# Altium PCB Metal Detector.PcbDoc
Units mm, origin at the board's own origin, x right, y up, seen from the top; angles counter-clockwise.
Board outline 96.52 x 64.13 mm, 2 copper layers (Top Layer, Bottom Layer); 61 components, 30 nets, 155 pads, 0 vias.
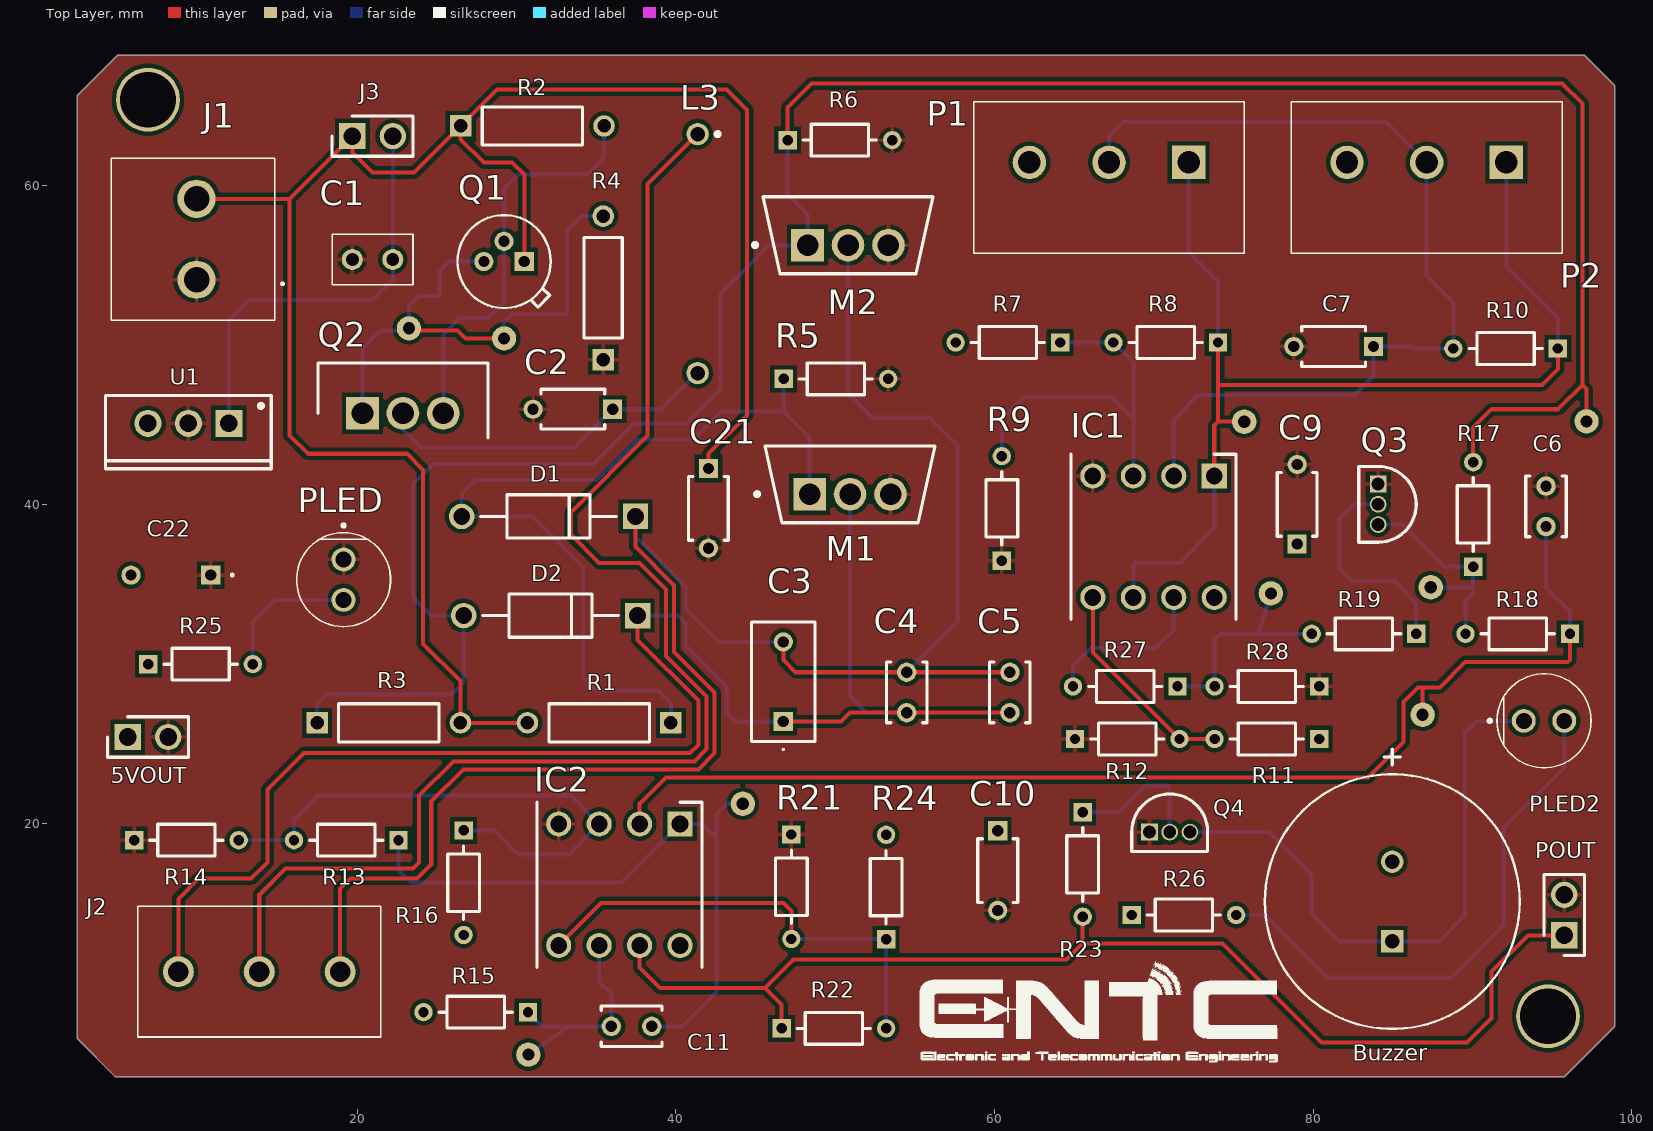
[diagram p0: Top Layer view]
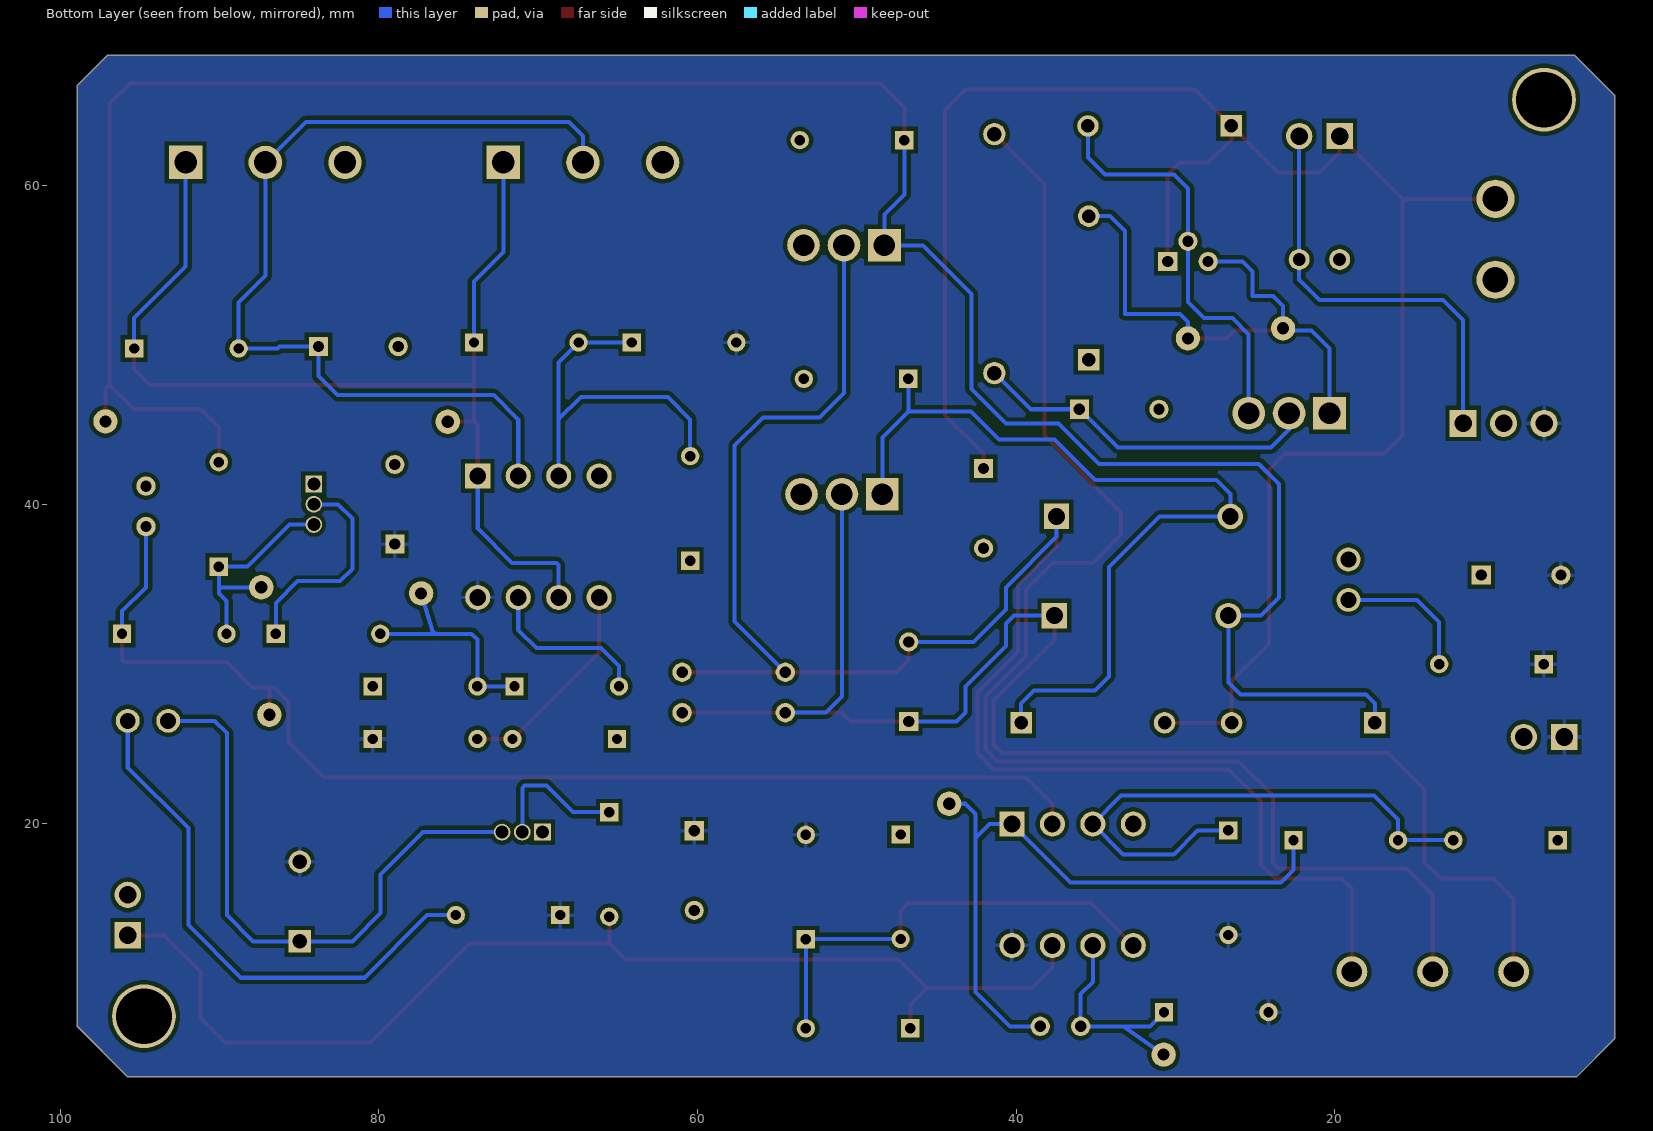
[diagram p1: Bottom Layer view, seen from below]
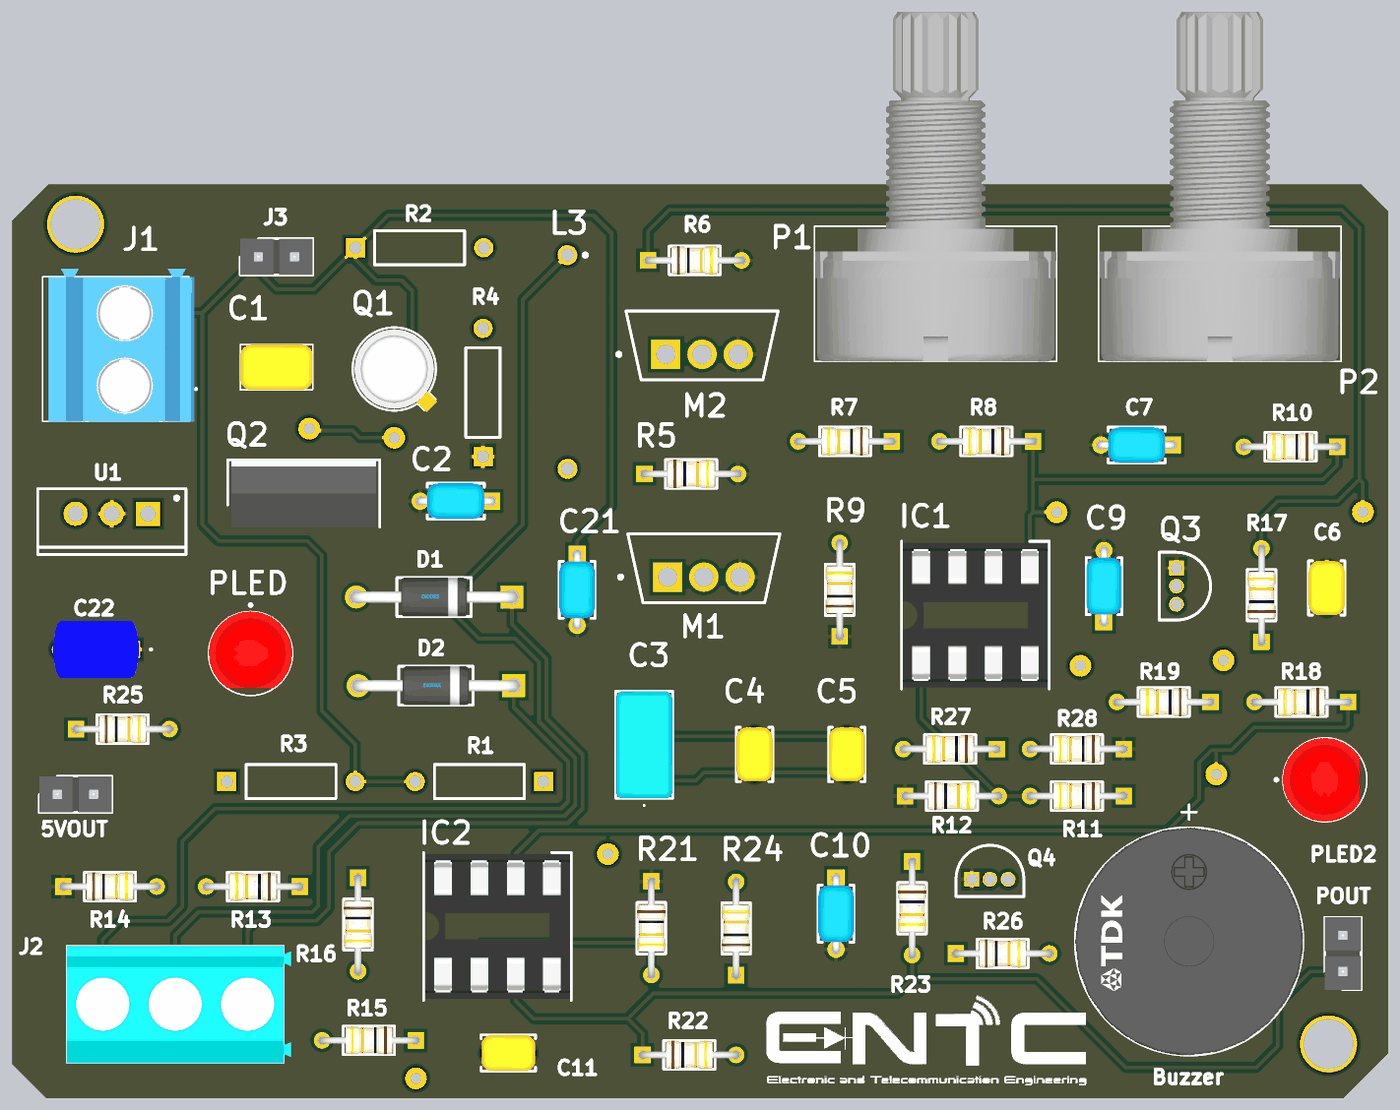
[diagram p2: 3D render of the assembled board from above, using the file's embedded part models]

## Layer stack, top to bottom
Top Solder: solder mask 0.0102, Solder Resist, Dk 3.5
Top Layer: signal copper 0.0356
Dielectric 1: dielectric 0.32, FR-4, Dk 4.8
Bottom Layer: signal copper 0.0356
Bottom Solder: solder mask 0.0102, Solder Resist, Dk 3.5

## Board outline
98.933,66.294 98.933,7.239 95.758,4.064 4.826,4.064 2.413,6.477 2.413,65.659 4.953,68.199 97.028,68.199

## Design rules (kind name [scope] priority, off if disabled: settings)
Clearance [All] p1: gap=0.254 ignorepadtopadclearanceinfootprint=FALSE
PolygonConnect [All] p1: connectstyle=Relief reliefconductorwidth=0.254 reliefentries=4 polygonreliefangle="90 Angle" airgapwidth=0.254
RoutingVias [All] p1: holewidth=0.711 width=1.27 viastyle="Through Hole" minholewidth=0.711 minwidth=1.27 maxholewidth=0.711 maxwidth=1.27
SolderMaskExpansion [All] p1: expansion=0.102 istentingtop=FALSE
SupplyNets "Schematic Supply Nets" [InNet('GND')] p1: voltage=0.000
Width [All] p1: maxlimit=0.254 minlimit=0.254 preferedwidth=0.254
30 further rules are at their usual default settings.

## Components (designator, comment, footprint, x,y, rotation, side; value= is the part's Value field where it differs from the comment)
5VOUT "5VPIN" HDRV2W64P0X254_1X2_508X254X864P 5.588,25.4 r0 top (schematic designator J5v)
Buzzer "SD1614T5-A1" FP-SD1614T5-A1-MFG 84.963,15.073 r90 top
C1 "0.33uF" C320C334M5U5TA7301 19.685,55.372 r0 top
C2 "100n" FP-RCE1K1-2_5-MFG 33.528,45.974 r180 top
C3 "150nF" RDER72J154K5E1H03A 46.736,26.369 r90 top
C4 "10nF" C315C103K5R5TA 54.483,26.924 r90 top
C5 "10nF" C315C103K5R5TA 60.96,26.924 r90 top
C6 "10nF" C315C103K5R5TA 94.615,41.148 r270 top
C7 "100n" FP-RCE1K1-2_5-MFG 81.28,49.911 r180 top
C9 "100n" FP-RCE1K1-2_5-MFG 78.994,40.005 r90 top
C10 "100n" FP-RCE1K1-2_5-MFG 60.198,17.018 r270 top
C11 "25nF" C315C103K5R5TA 35.941,7.239 r0 top
C21 "100u" FP-RCE1K1-2_5-MFG 42.037,39.751 r270 top
C22 "0.1uF" FK20 10.795,35.56 r180 top
D1 "1N5819-T" FP-DO-41_Plastic-MFG 32.004,39.243 r180 top value="110 pF"
D2 "1N5819-T" FP-DO-41_Plastic-MFG 32.131,33.02 r180 top value="110 pF"
IC1 "MCP6002" DIPS762W61P254L1016H525Q8N 73.787,41.783 r270 top
IC2 "MCP6002" DIPS762W61P254L1016H525Q8N 40.259,19.939 r270 top
J1 "TB007-508-02BE" TB00750802BE 9.906,54.102 r90 top
J2 "TB006-508-03BE" TB00650803BE 8.763,10.668 r0 top
J3 "switch" HDRV2W64P0X254_1X2_508X254X864P 19.685,63.119 r0 top
L3 "100u" BOUR-77F-2_V1 41.361,55.74 r270 top
M1 "AUIRFZ44N" FP-TO-220AB-MFG 50.927,41.26 r90 top
M2 "AUIRFZ44N" FP-TO-220AB-MFG 50.8,56.896 r90 top
P1 "10K" P160KN0QC15B10K 72.183,61.468 r90 top
P2 "5K" P160KN0QC15B10K 92.122,61.468 r90 top
PLED "151051RS11000" 151051RS11000 19.134,36.546 r270 top (schematic designator "Power LED")
PLED2 "151051RS11000" 151051RS11000 93.218,26.416 r0 top
POUT "pulse" HDRV2W64P0X254_1X2_508X254X864P 95.758,12.954 r90 top (schematic designator JOUTPULSE)
Q1 "2N2907" FP-TO-18-MFG 29.21,55.245 r270 top
Q2 "2SB596" TO254P470X1016X2019-3P 20.325,45.72 r0 top
Q3 "2N3904BU" FAIR-TO-92 84.074,41.275 r270 top
Q4 "2N3904BU" FAIR-TO-92 69.723,19.431 r0 top
R1 "150" RESA60-630X240 35.179,26.289 r180 top
R2 "1" RESA60-630X240 30.988,63.754 r0 top
R3 "150" RESA60-630X240 21.971,26.289 r0 top
R4 "2.2k" RESA60-630X240 35.433,53.594 r90 top
R5 "10k" FP-CF18-MFG 50.038,47.879 r0 top value=10kΩ
R6 "10k" FP-CF18-MFG 50.292,62.865 r0 top value=10kΩ
R7 "10k" FP-CF18-MFG 60.833,50.165 r180 top value=10kΩ
R8 "10k" FP-CF18-MFG 70.739,50.165 r180 top value=10kΩ
R9 "10k" FP-CF18-MFG 60.452,39.751 r90 top value=10kΩ
R10 "100" FP-CF18-MFG 92.075,49.784 r180 top value=10kΩ
R11 "10k" FP-CF18-MFG 77.089,25.273 r180 top value=10kΩ
R12 "10k" FP-CF18-MFG 68.326,25.273 r0 top value=10kΩ
R13 "10k" FP-CF18-MFG 19.304,18.923 r180 top value=10kΩ
R14 "10k" FP-CF18-MFG 9.271,18.923 r0 top value=10kΩ
R15 "10k" FP-CF18-MFG 27.432,8.128 r180 top value=10kΩ
R16 "10k" FP-CF18-MFG 26.67,16.256 r270 top value=10kΩ
R17 "10k" FP-CF18-MFG 90.043,39.37 r90 top value=10kΩ
R18 "22k" FP-CF18-MFG 92.837,31.877 r180 top value=22kΩ
R19 "10k" FP-CF18-MFG 83.185,31.877 r180 top value=10kΩ
R21 "10k" FP-CF18-MFG 47.244,16.002 r270 top value=10kΩ
R22 "10k" FP-CF18-MFG 49.911,7.112 r0 top value=10kΩ
R23 "1k" FP-CF18-MFG 65.532,17.399 r270 top value=1kΩ
R24 "10k" FP-CF18-MFG 53.191,15.98 r90 top value=10kΩ
R25 "220" FP-CF18-MFG 10.16,29.972 r0 top value=10kΩ
R26 "470" FP-CF18-MFG 71.882,14.224 r0 top value=1kΩ
R27 "10k" FP-CF18-MFG 68.199,28.575 r180 top value=10kΩ
R28 "10k" FP-CF18-MFG 77.089,28.575 r180 top value=10kΩ
U1 "L7805CV" TO220 9.398,45.085 r180 top

## Footprints (in the part's own frame and the unit in brackets; to place one, negate y for a bottom-side part, rotate by r counter-clockwise, add the part's x,y. Pads: shape width x height; smd on the part's side, far side on the other; paste and mask are expansions set on the pad)
151051RS11000 [mm]
  round 1.5 hole 1: 1(0,0) 2(2.54,0)
  silkscreen extent -2.23,-2.95 4.22,2.95, body extent -1.7,-2.95 3.7,2.95, height 12.03
BOUR-77F-2_V1 [mm] "TH, 2-Leads, Dia 3.99mm, Length 10.41mm, Pitch 15 mm"
  round 1.4 hole 0.9: 1(-7.5,0) 2(7.5,0)
  silkscreen extent -7.62,1.13 -7.38,1.38, body extent -7.82,-2 7.82,1.99, height 3.99
C315C103K5R5TA [mm]
  round 1.217 hole 0.71: 1(0,0) 2(2.54,0)
  silkscreen extent -0.64,-1.27 3.17,1.27, body extent -0.63,-1.28 3.18,1.27, height 4.66
C320C334M5U5TA7301 [mm]
  round 1.316 hole 0.81: 1(0,0) 2(2.54,0)
  silkscreen extent -1.27,-1.59 3.81,1.59, body extent -1.27,-1.6 3.81,1.59, height 5.51
DIPS762W61P254L1016H525Q8N [mm]
  rect 1.575x1.575 hole 1.05: 1(0,0)
  round 1.575 hole 1.05: 2(0,-2.54) 3(0,-5.08) 4(0,-7.62) 5(7.62,-7.62) 6(7.62,-5.08) 7(7.62,-2.54) 8(7.62,0)
  silkscreen extent -1.37,-8.99 8.99,1.37, body extent -1.27,-8.89 8.89,1.27, height 5.1
FAIR-TO-92 [mm] "TO, 3-Leads, Body Dia 4.79mm, Pitch 1.27mm"
  rect 1.05x1.05 hole 0.8 mask+0.05: 1(0,0)
  round 1.05 hole 0.8 mask+0.05: 2(1.27,0) 3(2.54,0)
  silkscreen extent -1.11,-1.21 3.65,2.4, body extent -1.11,-1.21 3.65,2.4, height 5.33
FK20 [mm]
  rect 1.2x1.2 hole 0.7: 1(0,0)
  round 1.2 hole 0.7: 2(5,0)
  silkscreen extent -1.4,-0.05 -1.3,0.05, body extent -0.5,-2 5.5,2, height 7.32
FP-CF18-MFG [mm]
  rect 1.15x1.15 hole 0.65 paste-2539.97 mask+0: 1(-3.28,0)
  round 1.15 hole 0.65 paste-2539.97 mask+0: 2(3.28,0)
  silkscreen extent -2.3,-1 2.3,1, body extent -3.96,-1.1 3.96,1.1, height 0.25
FP-DO-41_Plastic-MFG [mm]
  rect 1.6x1.6 hole 1.05 paste-2539.97 mask+0: 1(-5.456,0)
  round 1.6 hole 1.05 paste-2539.97 mask+0: 2(5.456,0)
  silkscreen extent -4.26,-1.36 4.26,1.36, body extent -6.36,-1.46 6.36,1.46, height 0.25
FP-RCE1K1-2_5-MFG [mm]
  rect 1.2x1.2 hole 0.7 paste-2539.97 mask+0: 1(-2.5,0)
  round 1.2 hole 0.7 paste-2539.97 mask+0: 2(2.5,0)
  silkscreen extent -2,-1.25 2,1.25, body extent -3.2,-1.35 3.2,1.35, height 0.25
FP-SD1614T5-A1-MFG [mm]
  rect 1.4x1.4 hole 0.9 paste-2539.97 mask+0: 1(-2.5,0)
  round 1.4 hole 0.9 paste-2539.97 mask+0: 2(2.5,0)
  silkscreen extent -8,-8 9.57,8, body extent -8.1,-8.1 8.1,8.1, height 0.25
FP-TO-18-MFG [mm]
  rect 1.2x1.2 hole 0.7 paste-2539.97 mask+0: 1(0,1.27)
  round 1.2 hole 0.7 paste-2539.97 mask+0: 2(-1.27,0) 3(0,-1.27)
  silkscreen extent -2.92,-2.92 2.92,2.92, body extent -3.02,-3.02 3.02,3.02, height 0.25
FP-TO-220AB-MFG [mm]
  rect 2.05x2.05 hole 1.35 paste-2539.97 mask+0: 1(-0.62,2.54)
  round 2.05 hole 1.35 paste-2539.97 mask+0: 2(-0.62,0) 3(-0.62,-2.54)
  silkscreen extent -2.41,-5.34 2.41,5.96
HDRV2W64P0X254_1X2_508X254X864P [mm]
  rect 1.65x1.65 hole 1.1: 1(0,0)
  round 1.65 hole 1.1: 2(2.54,0)
  silkscreen extent -1.27,-1.27 3.81,1.27, body extent -1.27,-1.27 3.81,1.27, height 8.64
P160KN0QC15B10K [mm]
  rect 2.1x2.1 hole 1.4: 1(0,0)
  round 2.1 hole 1.4: 2(0,5) 3(0,10)
  silkscreen extent -5.7,-3.5 3.8,13.5, body extent -5.71,-3.51 18.8,13.51, height 24.95
RDER72J154K5E1H03A [mm]
  rect 1.2x1.2 hole 0.7: 1(0,0)
  round 1.2 hole 0.7: 2(5,0)
  silkscreen extent -1.8,-2 6.25,2, body extent -1.25,-2 6.25,2, height 9.42
RESA60-630X240 [mm] "Axial Resistor, 2-Leads, Dia 2.4mm, Body Length 6.3mm"
  rect 1.35x1.35 hole 0.85: 1(-4.5,0)
  round 1.35 hole 0.85: 2(4.5,0)
  silkscreen extent -3.15,-1.2 3.15,1.2, body extent -3.15,-1.2 3.15,1.2, height 2.4
TB00650803BE [mm]
  round 1.95 hole 1.3: 1(0,0) 2(5.08,0) 3(10.16,0)
  silkscreen extent -2.54,-4.1 12.7,4.1, body extent -2.54,-4.1 13.2,4.1, height 10
TB00750802BE [mm]
  round 2.4 hole 1.6: 1(0,0) 2(5.08,0)
  silkscreen extent -2.54,-5.45 7.62,5.35, body extent -2.57,-5.3 8.19,4.95, height 16.85
TO220 [mm] "TO, Thru-Hole, Vertical, Heatsink Mounted; 3 In-Line Leads; Pitch 2.54 mm"
  rect 1.7x1.7 hole 1.1: 1(-2.54,0)
  round 1.7 hole 1.1: 2(0,0) 3(2.54,0)
  silkscreen extent -5.2,-1.75 5.2,2.85, body extent -5.25,-1.8 5.25,2.9, height 19.7
TO254P470X1016X2019-3P [mm]
  rect 2.055x2.055 hole 1.37: 1(0,0)
  round 2.055 hole 1.37: 2(2.535,0) 3(5.07,0)
  silkscreen extent -2.8,-1.55 7.87,3.15, body extent -2.55,-1.55 7.61,3.15, height 18.54

## Part data
5VOUT J3 POUT: library part M20-9990245, "Connector", Manufacturer_Name=Harwin, Mouser Part Number=855-M20-9990245, Datasheet Link=https://cdn.harwin.com/pdfs/M20-999.pdf, Height=8.64mm, Manufacturer_Part_Number=M20-9990245, Mouser Price/Stock=https://www.mouser.co.uk/ProductDetail/Harwin/M20-9990245?qs=Jph8NoUxIfUDXEB%252Bi9kJRA%3D%3D
Buzzer: library part CMP-08413-000005-1, "BUZZER MAGNETIC 5V 80DB 2048HZ 1", Frequency=2.048kHz, Max Operating Temperature=85°C, Min Operating Temperature=-40°C, Operating Supply Current=80mA, Voltage Rating=5V, Mount=Panel, Sensing Method=Magnetic, Termination="PC Pins"
C1: library part C320C334M5U5TA7301, "Capacitor", Manufacturer_Name=KEMET, Mouser Part Number=80-C320C334M5U5TATU, Datasheet Link=https://content.kemet.com/datasheets/KEM_C1051_GOLDMAX_Z5U.pdf, Height=5.84mm, Manufacturer_Part_Number=C320C334M5U5TA7301, Mouser Price/Stock=https://www.mouser.co.uk/ProductDetail/KEMET/C320C334M5U5TA7301?qs=uD%2FdkN7XIa09BDaVzp0DSg%3D%3D
C2 C7 C9 C10: library part CMP-06035-028865-1, "Cap Ceramic Monolithic 100nF 100V 10% Thru-Hole Bulk", Capacitance=100nF, Case/Package=Radial, Dielectric=X7R, Max Operating Temperature=125°C, Min Operating Temperature=-55°C, Package Quantity=2000, Ratings=AEC-Q200, Resistor Type=Ceramic, Tolerance=10%, Voltage Rating=100V, Height=3.5mm, Height - Seated (Max)=0.138inch, Lead Diameter=0.5mm, Lead Free="Lead Free", Lead Pitch=0.197inch, Lead/Base Style="Formed Leads", Length=0.157inch, Mount="Through Hole", Packaging="Tape and Reel", Termination=Radial, Voltage Rating (DC)=100V, Width=0.098inch
C3: library part RDER72J154K5E1H03A, "Capacitor", Manufacturer_Name="Murata Electronics", Mouser Part Number=81-RDER72J154K5E1H3A, Arrow Part Number=RDER72J154K5E1H03A, Arrow Price/Stock=https://www.arrow.com/en/products/rder72j154k5e1h03a/murata-manufacturing, Datasheet Link=https://search.murata.co.jp/Ceramy/image/img/A01X/G101/ENG/RDE_X7R_250V-1kV_E.pdf, Height=4mm, Manufacturer_Part_Number=RDER72J154K5E1H03A, Mouser Price/Stock=https://www.mouser.co.uk/ProductDetail/Murata-Electronics/RDER72J154K5E1H03A?qs=hNud%2FORuBR3iiULarVQtcw%3D%3D
C4 C5 C6 C11: library part C315C103K5R5TA, "Capacitor", Manufacturer_Name=KEMET, Mouser Part Number=80-C315C103K5R, Arrow Part Number=C315C103K5R5TA, Arrow Price/Stock=https://www.arrow.com/en/products/c315c103k5r5ta/kemet-corporation?utm_currency=USD&region=nac, Datasheet Link=https://content.kemet.com/datasheets/KEM_C1050_GOLDMAX_X7R.pdf, Height=4.66mm, Manufacturer_Part_Number=C315C103K5R5TA, Mouser Price/Stock=https://www.mouser.co.uk/ProductDetail/KEMET/C315C103K5R5TA?qs=73D%2FyAt1UYt79hsndjhLPg%3D%3D
C21: library part CMP-06035-028865-1, "Cap Ceramic Monolithic 100nF 100V 10% Thru-Hole Bulk", Capacitance=100uF, Case/Package=Radial, Dielectric=X7R, Max Operating Temperature=125°C, Min Operating Temperature=-55°C, Package Quantity=2000, Ratings=AEC-Q200, Resistor Type=Ceramic, Tolerance=10%, Voltage Rating=100V, Height=3.5mm, Height - Seated (Max)=0.138inch, Lead Diameter=0.5mm, Lead Free="Lead Free", Lead Pitch=0.197inch, Lead/Base Style="Formed Leads", Length=0.157inch, Mount="Through Hole", Packaging="Tape and Reel", Termination=Radial, Voltage Rating (DC)=100V, Width=0.098inch
C22: library part FK20C0G1H104JN000, "Capacitor", Manufacturer_Name=TDK, Datasheet Link=https://product.tdk.com/system/files/dam/doc/product/capacitor/ceramic/lead-mlcc/catalog/leadmlcc_conventional_fk_en.pdf, Height=7mm, Manufacturer_Part_Number=FK20C0G1H104JN000
D1 D2: library part CMP-12790-000042-1, "DIODE SCHOTTKY 40V 1A DO41", Capacitance="110 pF", Forward Current=1A, Manufacturer="Diodes Inc.", Max Junction Temp=+125°C, Max Repetitive Reverse Voltage=40V, Max Surge Forward Current=25A, Package="DO-41 (Plastic)", Peak Reverse Current=1mA, Temperature="-65°C to +125°C", Temperature Range Low=-65°C, Automotive=No, Category=Diode, ComponentLink2Description=Datasheet, ComponentLink2URL=https://www.diodes.com/assets/Datasheets/ds23001.pdf, Device Class L1="Discrete Semiconductors", Device Class L2=Diodes, Device Class L3="Schottky Diodes", Digikey Description="DIODE SCHOTTKY 40V 1A DO41", Footprint Url=https://www.diodes.com/assets/Package-Files/DO-41-Plastic.pdf, Height=2.72mm, Ipc Land Pattern Name=DIOPA1091W105L521D272, Lead Free=Yes, Manufacturer Part Number=1N5819-T, Mouser Description="Schottky Diodes & Rectifiers Vr/40V Io/1A T/R", Octopart=https://octopart.com/1n5819-t-diodes+inc.-55389586, Reverse Voltage=40V, RoHS=TRUE, Temperature Range High=+125°C
IC1 IC2: library part A_08-LC-TT, "Connector", Arrow Part Number="A 08-LC-TT", Manufacturer_Name="ASSMANN WSW components GmbH", Arrow Price/Stock=https://www.arrow.com/en/products/a08-lc-tt/assmann-wsw-components-inc?region=nac, Datasheet Link=http://www.assmann-wsw.com/fileadmin/datasheets/ASS_0810_CO.pdf, Height=5.25mm, Manufacturer_Part_Number="A 08-LC-TT"
J1: "Connector", Manufacturer_Name="Same Sky", Mouser Part Number=490-TB007-508-02BE, Arrow Part Number=TB007-508-02BE, Arrow Price/Stock=https://www.arrow.com/en/products/tb007-508-02be/cui-devices?utm_currency=USD&region=nac, Datasheet Link=https://www.digikey.ph/en/products/detail/same-sky-formerly-cui-devices/TB007-508-02BE/10064127?msockid=3bdc366bbe0663d83c1223c0bf3662a6, Height=14mm, Manufacturer_Part_Number=TB007-508-02BE, Mouser Price/Stock=https://www.mouser.co.uk/ProductDetail/Same-Sky/TB007-508-02BE?qs=vLWxofP3U2y6PFKAfCqKUQ%3D%3D
J2: "Connector", Manufacturer_Name="Same Sky", Mouser Part Number=490-TB006-508-03BE, Arrow Part Number=TB006-508-03BE, Arrow Price/Stock=https://www.arrow.com/en/products/tb006-508-03be/cui-devices?utm_currency=USD&region=nac, Datasheet Link=https://www.sameskydevices.com/product/resource/supplyframepdf/tb006-508.pdf, Height=10.4mm, Manufacturer_Part_Number=TB006-508-03BE, Mouser Price/Stock=https://www.mouser.co.uk/ProductDetail/Same-Sky/TB006-508-03BE?qs=vLWxofP3U2zmvvLYJBQLMA%3D%3D
L3: library part CMP-0732-00001-1, "77F Series Conformal Coated RF Choke, 470 uH +/- 5%, 126 mA, -55 to 105 degC, 3.99 mm Dia x 10.4 mm Length, RoHS, Tape and Reel", Inductance 100 kHz (Tol. %)="100 uH +/- 5", Manufacturer=Bourns, Operating Temperature="-55 to 105 degC", PartNumber=77F471J-TR-RC, Test Frequency (MHz)=0.796, ComponentLink1Description="Manufacturer URL", ComponentLink1URL=http://www.bourns.com/, ComponentLink2Description=Datasheet, ComponentLink2URL=http://www.bourns.com/data/global/pdfs/77F_series.pdf, ComponentLink3Description="Package Specification", ComponentLink3URL=http://www.bourns.com/data/global/pdfs/77F_series.pdf, DatasheetVersion="Rev. 10/12", Idc (mA)=126, Mounting Technology="Through Hole", PackageDescription="2-Pin Through Hole RF Choke , Dia 3.99 mm, Length 10.4 mm", PackageReference=77F-2, PackageVersion="Rev. 10/12", Packing="Tape and Reel", Q Min.=50, RDC Max.(Ohm)=8.5, RoHS=TRUE, SRF Min.(MHz)=1.8
M1 M2: library part CMP-00196-65872631-1, "AUIRFZ44N Automotive Q101 55V Single N-Channel HEXFET Power MOSFET in a TO-220AB Package, TO220-3, RoHS", Case/Package=TO-220AB, Continuous Drain Current (ID)=49A, Drain to Source Breakdown Voltage=55V, Drain to Source Resistance=17.5mΩ, Gate to Source Voltage (Vgs)=20V, Input Capacitance=1.47nF, Max Junction Temperature (Tj)=175°C, Max Power Dissipation=94W, Min Operating Temperature=-55°C, Package Quantity=1000, Threshold Voltage=2V, Contact Plating=Tin, Drain to Source Voltage (Vdss)=55V, Element Configuration=Single, Fall Time=60ns, Height=16.51mm, Length=10.66mm, Lifecycle Status=Obsolete, Max Operating Temperature=175°C, Mount="Surface Mount, Through Hole", NexarPartId=65872631, Number of Channels=1, Number of Elements=1, Number of Pins=3, On-State Resistance=17.5mΩ, Power Dissipation=94W, Radiation Hardening=No, Rds On Max=17.5mΩ, REACH SVHC="No SVHC", Rise Time=69ns, RoHS=Compliant, Schedule B="8541290080, 8541290080", Turn-Off Delay Time=44ns, Turn-On Delay Time=7.3ns, Width=4.82mm
P1 P2: library part P160KN-0QC15B10K, "Variable Resistor", Manufacturer_Name="TT Electronics", Mouser Part Number=858-P160KN-0QC15B10K, Arrow Part Number=P160KN-0QC15B10K, Arrow Price/Stock=https://www.arrow.com/en/products/p160kn-0qc15b10k/bi-technologies, Datasheet Link=https://www.ttelectronics.com/TTElectronics/media/ProductFiles/Potentiometers/Datasheets/P160.pdf, Height=16.5mm, Manufacturer_Part_Number=P160KN-0QC15B10K, Mouser Price/Stock=https://www.mouser.co.uk/ProductDetail/BI-Technologies-TT-Electronics/P160KN-0QC15B10K?qs=%252BUYXD5bnyXowj%252Bd8P32cNw%3D%3D
PLED PLED2: "LED", Manufacturer_Name="Wurth Elektronik", Mouser Part Number=710-151051RS11000, Datasheet Link=https://katalog.we-online.com/led/datasheet/151051RS11000.pdf, Height=13.6mm, Manufacturer_Part_Number=151051RS11000, Mouser Price/Stock=https://www.mouser.co.uk/ProductDetail/Wurth-Elektronik/151051RS11000?qs=LlUlMxKIyB0NuMCRBgVmEg%3D%3D
Q1: library part CMP-00252-117134470-1, "2N2907 Small-Signal Bjt To-18 Rohs Compliant: Yes", Case/Package=TO-18, Collector Base Voltage (VCBO)=60V, Collector Emitter Saturation Voltage=1.6V, Emitter Base Voltage (VEBO)=5V, Max Collector Current=600mA, Max Junction Temperature (Tj)=200°C, Min Operating Temperature=-65°C, Power Dissipation=500mW, Collector Emitter Breakdown Voltage=60V, Collector Emitter Voltage (VCEO)=60V, Height=5.33mm, hFE Min=100, Lifecycle Status=Production, Max Operating Temperature=200°C, NexarPartId=117134470, Number of Elements=1
Q2: library part TIP42C, "Transistor BJT PNP", Manufacturer_Name=onsemi, Mouser Part Number=512-TIP42C, Arrow Part Number=TIP42C, Arrow Price/Stock=https://www.arrow.com/en/products/tip42c/on-semiconductor, Datasheet Link=http://www.mouser.com/ds/2/149/TIP42C-890174.pdf, Height=4.7mm, Manufacturer_Part_Number=TIP42C, Mouser Price/Stock=https://www.mouser.co.uk/ProductDetail/onsemi-Fairchild/TIP42C?qs=cnIeywgme7b7B3r0xPyyBQ%3D%3D
Q3 Q4: library part CMP-2000-04944-1, "NPN General-Purpose Amplifier, 40 V VCEO, 0.2 A, -55 to 150 degC, 2-Pin TO-92, RoHS, Bulk", Manufacturer=FairchildSemiconductor, Maximum Collector Base Voltage=60V, Maximum Collector Emitter Saturation Voltage=0.2@1mA@10mA, Maximum Collector Emitter Voltage=40V, Maximum DC Collector Current=0.2A, Maximum Operating Frequency=300(Min)MHz, Maximum Power Dissipation=625mW, Minimum DC Current Gain=40@0.1mA@1V, Operating Temperature=-55to150degC, Package=3TO-92, Package Description="3-Pin Transistor Outline Package, Body Dia 4.79 mm, Pitch 1.27 mm", Package Reference=TO-92, Category=GPBJT, Datasheet URL=https://datasheet.ciiva.com/4722/2n3904-82270-4722369.pdf, Datasheet Version="Rev. 1.1.0, 10/2014", Manufacturer URL=https://www.fairchildsemi.com/, Mounting=ThroughHole, Packaging=Bulk, Pin Count=3, Rad Hard=No, Type=NPN
R1 R3: library part CMP-1659-00075-1, "Axial Resistor, 1 KOhm, +/- 1%, 250 mW, -55 to 155 degC, 2-Pin THD, RoHS, Bulk", Case\Package=Axial, Max Operating Temperature="155 degC", Min Operating Temperature="-55 degC", Package Quantity=200, Power Rating="250 mW", Resistance="150 ohm", Tolerance=1%, Voltage Rating="250 V", ComponentLink1Description="Manufacturer URL", ComponentLink1URL=http://www.yageo.com/, ComponentLink2Description=Datasheet, ComponentLink2URL=http://www.yageo.com/documents/recent/Yageo%20LR_MFR_2013.pdf, DatasheetVersion=Apr-13, Length="0.248 inch", PackageDescription="2-Pin Axial Lead, Dia 2.4 mm, Body Length 6.3 mm", PackageReference=MFR-25, Packaging=Bulk, RoHSCompliant=true
R2: library part CMP-1659-00075-1, "Axial Resistor, 1 KOhm, +/- 1%, 250 mW, -55 to 155 degC, 2-Pin THD, RoHS, Bulk", Case\Package=Axial, Max Operating Temperature="155 degC", Min Operating Temperature="-55 degC", Package Quantity=200, Power Rating="250 mW", Resistance="1 ohm", Tolerance=1%, Voltage Rating="250 V", ComponentLink1Description="Manufacturer URL", ComponentLink1URL=http://www.yageo.com/, ComponentLink2Description=Datasheet, ComponentLink2URL=http://www.yageo.com/documents/recent/Yageo%20LR_MFR_2013.pdf, DatasheetVersion=Apr-13, Length="0.248 inch", PackageDescription="2-Pin Axial Lead, Dia 2.4 mm, Body Length 6.3 mm", PackageReference=MFR-25, Packaging=Bulk, RoHSCompliant=true
R4: library part CMP-1659-00075-1, "Axial Resistor, 1 KOhm, +/- 1%, 250 mW, -55 to 155 degC, 2-Pin THD, RoHS, Bulk", Case\Package=Axial, Max Operating Temperature="155 degC", Min Operating Temperature="-55 degC", Package Quantity=200, Power Rating="250 mW", Resistance="2200 ohm", Tolerance=1%, Voltage Rating="250 V", ComponentLink1Description="Manufacturer URL", ComponentLink1URL=http://www.yageo.com/, ComponentLink2Description=Datasheet, ComponentLink2URL=http://www.yageo.com/documents/recent/Yageo%20LR_MFR_2013.pdf, DatasheetVersion=Apr-13, Length="0.248 inch", PackageDescription="2-Pin Axial Lead, Dia 2.4 mm, Body Length 6.3 mm", PackageReference=MFR-25, Packaging=Bulk, RoHSCompliant=true
R5 R6 R7 R8 R9 R10 R11 R12 R13 R14 R15 R16 R17 R19 R21 R22 R24 R25 R27 R28: library part CMP-26528-000002-1, "RES 10K OHM 1/8W 5% CF AXIAL", Manufacturer="Stackpole Electronics", Manufacturer Part Number=CF18JT10K0, Package=CF18, Power Rating=0.125W, Resistance=10kΩ, Temperature="-55°C to +155°C", Temperature Coefficient=0-500ppm/°C, Temperature Range High=+155°C, Temperature Range Low=-55°C, Tolerance=5%, Voltage Rating=250V, Automotive=No, Category=Res, ComponentLink2Description=Datasheet, ComponentLink2URL=http://www.seielect.com/Catalog/SEI-CF_CFM.pdf, Composition="Carbon Film", Device Class L1="Passive Components", Device Class L2=Resistors, Device Class L3="Through-Hole Resistors", Digikey Description="RES 10K OHM 1/8W 5% CF AXIAL", Height=2mm, Ipc Land Pattern Name=RESAD656W65L360D200, Lead Free=Yes, Octopart=https://octopart.com/cf18jt10k0-stackpole+electronics-19205642, RoHS=TRUE, Series=CF
R18: library part CMP-26528-000002-1, "RES 10K OHM 1/8W 5% CF AXIAL", Manufacturer="Stackpole Electronics", Manufacturer Part Number=CF18JT10K0, Package=CF18, Power Rating=0.125W, Resistance=22kΩ, Temperature="-55°C to +155°C", Temperature Coefficient=0-500ppm/°C, Temperature Range High=+155°C, Temperature Range Low=-55°C, Tolerance=5%, Voltage Rating=250V, Automotive=No, Category=Res, ComponentLink2Description=Datasheet, ComponentLink2URL=http://www.seielect.com/Catalog/SEI-CF_CFM.pdf, Composition="Carbon Film", Device Class L1="Passive Components", Device Class L2=Resistors, Device Class L3="Through-Hole Resistors", Digikey Description="RES 10K OHM 1/8W 5% CF AXIAL", Height=2mm, Ipc Land Pattern Name=RESAD656W65L360D200, Lead Free=Yes, Octopart=https://octopart.com/cf18jt10k0-stackpole+electronics-19205642, RoHS=TRUE, Series=CF
R23 R26: library part CMP-26528-000002-1, "RES 10K OHM 1/8W 5% CF AXIAL", Manufacturer="Stackpole Electronics", Manufacturer Part Number=CF18JT10K0, Package=CF18, Power Rating=0.125W, Resistance=1kΩ, Temperature="-55°C to +155°C", Temperature Coefficient=0-500ppm/°C, Temperature Range High=+155°C, Temperature Range Low=-55°C, Tolerance=5%, Voltage Rating=250V, Automotive=No, Category=Res, ComponentLink2Description=Datasheet, ComponentLink2URL=http://www.seielect.com/Catalog/SEI-CF_CFM.pdf, Composition="Carbon Film", Device Class L1="Passive Components", Device Class L2=Resistors, Device Class L3="Through-Hole Resistors", Digikey Description="RES 10K OHM 1/8W 5% CF AXIAL", Height=2mm, Ipc Land Pattern Name=RESAD656W65L360D200, Lead Free=Yes, Octopart=https://octopart.com/cf18jt10k0-stackpole+electronics-19205642, RoHS=TRUE, Series=CF
U1: library part CMP-0244-00483-1, "Positive Voltage Regulator, 5V, 3-Pin TO-220", ComponentLink1Description="Manufacturer URL", ComponentLink1URL=http://www.st.com, ComponentLink2Description=Datasheet, ComponentLink2URL=http://www.st.com/internet/com/TECHNICAL_RESOURCES/TECHNICAL_LITERATURE/DATASHEET/CD00000444.pdf, ComponentLink3Description="Package Specification", ComponentLink3URL=http://www.st.com/internet/com/TECHNICAL_RESOURCES/TECHNICAL_LITERATURE/PACKAGE_INFORMATION/CD00004649.pdf, DatasheetVersion=16/11/2011, PackageDescription="TO, Thru-Hole, Vertical, Heatsink Mounted; 3 In-Line Leads; Pitch 2.54 mm", PackageReference=TO220, PackageVersion=ver3.0

## Free pads (board coordinates)
  round 4 hole 3.5: 1(6.858,65.405) 2(94.742,7.874)
  round 1.524 hole 0.762: 3(23.241,51.054) 4(29.21,50.419) 5(97.155,45.212) 6(75.67,45.19) 7(77.343,34.417) 8(87.376,34.798) 9(86.868,26.797) 10(44.196,21.209) 11(30.734,5.461)

## Nets (pads, with @x,y where several pads share a name; then routed paths per layer and width w, separated by ;. In a path a pad name is that pad's centre, name@x,y a point inside that pad or via, vN(x,y) a via of type N, cw(c..) or ccw(c..) an arc to the next point about the centre after c; other vN are vias at no path point)
5V: 5VOUT.1 Buzzer.2 C9.1 C10.1 C22.2 IC1.8 IC2.8 R7.2 R11.1 R15.2 R16.2 R24.2 R25.1 R26.1 U1.3
9V: C21.1 J1.2 J3.1 Q1.1 R1.2 R2.1 R3.2 | length 120.3
  Top Layer w0.254: J1.2 15.748,59.182 ; Q1.1 30.48,60.706 29.718,61.468 27.94,61.468 26.488,62.92 R2.1 ; R1.2 R3.2 26.471,28.901 24.13,31.242 24.13,42.164 23.114,43.18 16.891,43.18 15.748,44.323 15.748,59.182 ; C21.1 42.037,43.18 44.45,45.593 44.45,64.77 43.18,66.04 28.774,66.04 R2.1 ; 15.748,59.182 J3.1 19.685,62.103 20.955,60.833 23.567,60.833 R2.1
25kOut1: IC1.7 R27.2 | length 10.6
  Bottom Layer w0.254: R27.2 64.919,29.867 66.04,30.988 70.104,30.988 71.247,32.131 IC1.7
25kOut2: pad.7 R19.2 R27.1 R28.2 | length 14.3
  Bottom Layer w0.254: R27.1 R28.2 73.809,31.518 74.168,31.877 76.365,31.877 76.406,31.899 76.568,31.987 76.64,32.058 pad.7 ; 76.419,31.877 R19.2
GND: 5VOUT.2 C1.1 C2.2 C6.1 C7.2 C9.2 C10.2 C21.2 C22.1 IC1.4 IC2.4 J1.1 M1.3 M2.3 PLED.1 POUT.2 Q3.1 Q4.1 R4.1 R5.2 R6.2 R9.1 R12.1 R14.1 R21.1 R28.1 U1.2
IC1_INA+: IC1.3 R7.1 R8.2 R9.2 | length 24
  Bottom Layer w0.254: R9.2 60.452,45.339 61.849,46.736 67.321,46.736 68.707,45.35 ; R7.1 R8.2 68.707,48.917 IC1.3
IC1_INA-: C7.1 IC1.2 P1.2 P2.2 R10.2 | length 59.5
  Bottom Layer w0.254: P1.2 67.183,63.119 68.072,64.008 69.469,64.008 84.582,64.008 P2.2 87.122,54.356 88.795,52.683 R10.2 86.36,49.784 86.233,49.911 C7.1 83.78,48.046 82.597,46.863 72.771,46.863 71.247,45.339 IC1.2
IC1_INB+: IC1.5 R11.2 R12.2 | length 13.3
  Top Layer w0.254: IC1.5 66.167,30.712 R12.2 R11.2
IC1_INB-: IC1.1 IC1.6 P1.1 P2.1 pad.6 R8.1 R10.1 | length 69.6
  Top Layer w0.254: IC1.1 73.787,44.958 74.019,45.19 ; R8.1 74.019,47.487 ; pad.6 74.019,45.19 ; R10.1 95.355,48.492 94.35,47.487 74.019,47.487 ; 74.019,45.19 74.019,47.487
  Bottom Layer w0.254: IC1.6 68.707,36.195 68.834,36.322 71.628,36.322 73.787,38.481 IC1.1 ; P1.1 72.183,55.833 74.019,53.997 R8.1 ; P2.1 92.122,54.944 95.355,51.711 R10.1
IC2_INA+: IC2.3 R13.2 R14.2 R16.1 | length 35.1
  Bottom Layer w0.254: R14.2 15.538,18.923 R13.2 ; R13.2@16.024,19.05 16.024,20.215 17.526,21.717 33.401,21.717 IC2.3 33.274,18.034 30.099,18.034 28.597,19.536 R16.1
IC2_INA-: C6.2 IC2.2 pad.9 R18.1 | length 75.5
  Top Layer w0.254: IC2.2 37.719,21.209 39.37,22.86 83.439,22.86 85.672,25.093 85.672,27.612 86.572,28.511 87.947,28.511 89.535,30.099 95.968,30.099 96.117,30.248 R18.1 ; pad.9 86.868,28.448
  Bottom Layer w0.254: C6.2 94.615,34.798 96.117,33.296 R18.1
IC2_INB+: IC2.5 R21.2 R22.2 R24.1 | length 29.2
  Top Layer w0.254: IC2.5 35.306,14.986 46.736,14.986 47.244,14.478 R21.2
  Bottom Layer w0.254: R21.2 R24.1@53.213,12.722 ; R22.2 R24.1
IC2_INB-: C11.1 IC2.6 pad.11 R15.1 | length 13.9
  Bottom Layer w0.254: R15.1 31.601,7.239 C11.1 35.941,9.271 35.179,10.033 IC2.6 ; pad.11 33.147,7.157
IC2_OUTA: C11.2 IC2.1 pad.10 R13.1 | length 42.1
  Bottom Layer w0.254: R13.1 22.584,17.04 23.368,16.256 23.749,16.256 36.576,16.256 IC2.1 41.656,19.939 42.545,19.05 ; C11.2 40.386,7.239 42.545,9.398 42.545,19.05 ; pad.10 43.18,21.209 42.545,20.574 42.545,19.05
IC2_OUTB: IC2.7 POUT.1 R22.1 R23.2 | length 72.8
  Top Layer w0.254: IC2.7 37.719,10.922 38.989,9.652 45.593,9.652 ; R22.1 46.631,8.614 45.593,9.652 ; R23.2 65.532,12.446 ; POUT.1 93.472,12.954 91.186,10.668 91.186,7.747 89.662,6.223 80.518,6.223 74.295,12.446 65.532,12.446 ; 45.593,9.652 47.371,11.43 64.516,11.43 65.532,12.446
NetBuzzer_1: Buzzer.1 PLED2.1 Q4.3 | length 37.6
  Bottom Layer w0.254: Q4.3 77.216,19.431 79.883,16.764 79.883,14.351 81.661,12.573 87.884,12.573 89.535,14.224 89.535,25.654 90.297,26.416 PLED2.1
NetC1_2: C1.2 J3.2 U1.1 | length 26.8
  Bottom Layer w0.254: U1.1 11.938,51.562 13.208,52.832 20.955,52.832 22.225,54.102 C1.2 J3.2
NetC2_1: C2.1 L3.2 Q2.2 | length 21.9
  Bottom Layer w0.254: Q2.2 22.86,44.704 24.003,43.561 33.615,43.561 C2.1 39.095,45.974 L3.2
NetC3_1: C3.1 C4.1 C5.1 D2.1 J2.1 M1.2 | length 98.4
  Top Layer w0.254: J2.1 8.763,15.24 10.033,16.51 13.335,16.51 14.351,17.526 14.351,22.098 16.637,24.384 40.894,24.384 41.402,24.892 41.402,27.686 37.587,31.501 D2.1 ; C3.1 50.372,26.369 50.927,26.924 C4.1 C5.1
  Bottom Layer w0.254: D2.1 40.132,33.02 40.64,32.512 40.64,31.115 43.18,28.575 43.18,26.924 43.735,26.369 C3.1 ; M1.2 50.927,27.94 51.943,26.924 C4.1
NetC3_2: C3.2 C4.2 C5.2 D1.1 J2.3 M2.2 | length 114.3
  Top Layer w0.254: J2.3 18.923,15.875 19.558,16.51 23.749,16.51 24.638,17.399 24.638,21.336 26.67,23.368 41.402,23.368 42.418,24.384 42.418,28.194 39.878,30.734 39.878,34.925 37.46,37.343 D1.1 ; C3.2 46.736,30.226 47.498,29.464 48.895,29.464 C4.2 C5.2
  Bottom Layer w0.254: D1.1 37.46,37.978 40.64,34.798 40.64,33.401 42.672,31.369 C3.2 ; M2.2 50.8,46.99 52.324,45.466 55.88,45.466 57.658,43.688 57.658,32.639 C4.2
NetD1_2: D1.2 M1.1 R1.1 R5.1 | length 54.9
  Bottom Layer w0.254: R1.1 39.679,27.504 38.862,28.321 35.052,28.321 34.163,29.21 34.163,36.068 30.988,39.243 D1.2 26.548,40.645 27.432,41.529 28.194,41.529 35.052,41.529 37.592,44.069 41.065,44.069 42.821,45.825 46.758,45.825 ; R5.1 46.758,45.825 ; M1.1 48.387,44.196 46.758,45.825
NetJ2_2: J2.2 L3.1 | length 86
  Top Layer w0.254: J2.2 13.843,15.494 15.494,17.145 23.495,17.145 23.876,17.526 23.876,21.717 26.035,23.876 41.148,23.876 41.91,24.638 41.91,27.94 39.37,30.48 39.37,34.671 37.719,36.322 35.179,36.322 33.401,38.1 33.401,39.497 38.227,44.323 38.227,60.106 L3.1
NetPLED2_2: PLED2.2 R26.2 | length 34.2
  Bottom Layer w0.254: R26.2 76.962,14.224 80.899,10.287 88.646,10.287 91.948,13.589 91.948,19.685 95.758,23.495 PLED2.2
NetPLED_2: PLED.2 R25.2 | length 8.9
  Bottom Layer w0.254: R25.2 13.44,32.617 14.829,34.006 PLED.2
NetQ1_2: Q1.2 Q2.3 R2.2 | length 25.8
  Bottom Layer w0.254: Q2.3 25.395,50.668 26.416,51.689 28.194,51.689 29.21,52.705 Q1.2 29.21,59.817 30.099,60.706 34.417,60.706 35.488,61.777 R2.2
NetQ1_3: pad.3 pad.4 Q1.3 Q2.1 R4.2 | length 34.6
  Top Layer w0.254: pad.3@23.368,50.927 26.289,50.927 26.797,50.419 pad.4
  Bottom Layer w0.254: Q2.1 20.325,49.789 21.463,50.927 pad.3@23.114,50.927 ; pad.3 23.241,52.451 23.876,53.086 25.146,53.086 25.146,54.61 25.781,55.245 Q1.3 ; pad.4 29.21,51.435 29.718,51.943 30.607,51.943 33.147,51.943 33.147,57.15 34.091,58.094 R4.2
NetQ3_2: Q3.2 R19.1 | length 13.6
  Bottom Layer w0.254: Q3.2 82.55,40.005 81.661,39.116 81.661,35.941 82.423,35.179 85.09,35.179 86.465,33.804 R19.1
NetQ3_3: pad.8 Q3.3 R17.1 R18.2 | length 14.1
  Bottom Layer w0.254: Q3.3 85.598,38.735 88.243,36.09 R17.1 90.043,34.417 89.557,33.931 R18.2 ; pad.8 90.043,34.798
NetQ4_2: Q4.2 R23.1 | length 9
  Bottom Layer w0.254: R23.1 67.796,20.679 69.469,22.352 70.844,22.352 70.993,22.203 Q4.2
Out1: D2.2 M2.1 pad.5 R3.1 R6.1 R17.2 | length 150.8
  Top Layer w0.254: R6.1 47.012,64.919 48.514,66.421 95.631,66.421 96.901,65.151 96.901,47.498 ; R17.2 90.043,44.831 91.186,45.974 95.377,45.974 96.901,47.498 ; pad.5 97.155,47.244 96.901,47.498
  Bottom Layer w0.254: R3.1 17.471,27.504 18.034,28.067 25.908,28.067 26.675,28.834 D2.2 24.638,33.02 23.495,34.163 23.495,41.275 24.765,42.545 34.798,42.545 37.338,45.085 40.64,45.085 42.799,47.244 42.799,53.213 45.847,56.261 48.26,56.261 M2.1 48.26,58.21 47.012,59.458 R6.1
pads on no net: P1.3 P2.3

## Polygon pours and split planes (outlines as drawn)
GND on Top Layer "GND_L01_P001" (solid, pour order 1): 4.953,68.199 2.413,65.659 2.413,6.477 4.826,4.064 95.758,4.064 98.933,7.239 98.933,66.294 97.028,68.199
no net on Top Layer "NONET_L01_P000" (solid, pour order 0): 4.953,68.199 2.413,65.659 2.413,6.477 4.826,4.064 95.758,4.064 98.933,7.239 98.933,66.294 97.028,68.199
5V on Bottom Layer "5V_L02_P002" (solid, pour order 2): 4.953,68.199 2.413,65.659 2.413,6.477 4.826,4.064 95.758,4.064 98.933,7.239 98.933,66.294 97.028,68.199

## Silkscreen, mask and mechanical layers (free items; w line width, h text height)
Top Overlay:
  drawing of 122 lines, arcs and shapes, not listed